# Altium PCB KAVI_PCB_R5.PcbDoc (part 1 of 2) (continued)
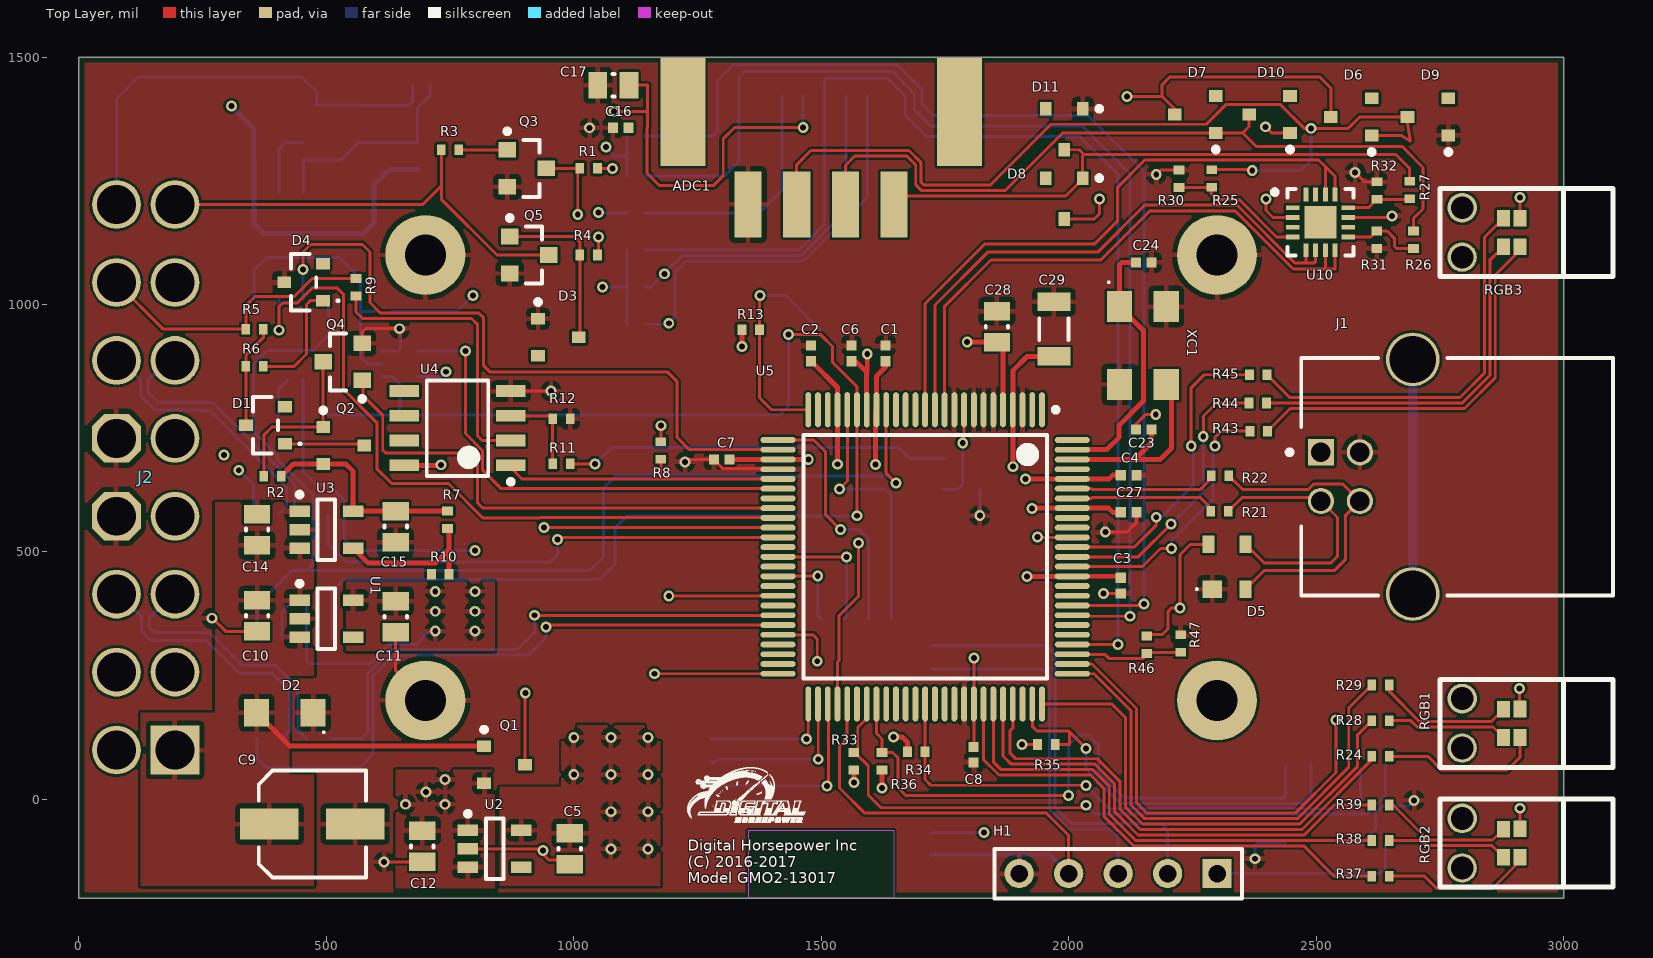
[diagram p0: Top Layer view]
## Part data (continued)
D3: Supplier Part Number 1=BAS16LT1GOSTR-ND, Supplier 1=Digi-Key
D5: library part ESD_PROTECTION_DIODE, Capacitance @ Frequency="1pF @ 1MHz", Current - Peak Pulse (10/1000µs)=-, Manufacturer="NXP Semiconductors", Manufacturer Part Number=PRTR5V0U2X,215, Operating Temperature="-40°C ~ 85°C (TA)", Package / Case="TO-253-4, TO-253AA", Power Line Protection=Yes, Supplier Device Package=SOT-143B, Supplier Part Number 1=568-4140-2-ND, Voltage - Breakdown (Min)=6V, Voltage - Reverse Standoff (Typ)="5.5V (Max)", Applications="General Purpose", Bidirectional Channels=-, Category="Circuit Protection", ComponentLink1Description=http://www.nxp.com/documents/data_sheet/PRTR5V0U2X.pdf, ComponentLink1URL=http://www.nxp.com/documents/data_sheet/PRTR5V0U2X.pdf, Mounting Type="Surface Mount", Packaging="Tape & Reel (TR)", Part Status=Active, Power - Peak Pulse=-, Pricing 1="3000=0.17949, 6000=0.16791, 15000=0.15633, 30000=0.14822, 75000=0.14475, 150000=0.13896 (USD)", RoHS="RoHS Compliant", Stock 1=15000, Supplier 1=Digi-Key, Type="Steering (Rail to Rail)", Unidirectional Channels=2, Voltage - Clamping (Max) @ Ipp=-
D6 D7 D8 D9 D10 D11: Capacitance @ Vr, F="80pF @ 1V, 1MHz", Current - Average Rectified (Io)="500mA (DC)", Current - Reverse Leakage @ Vr="200µA @ 20V", Manufacturer="NXP Semiconductors", Manufacturer Part Number=PMEG2005ET,215, Operating Temperature - Junction="150°C (Max)", Package / Case="TO-236-3, SC-59, SOT-23-3", Supplier Device Package="SOT-23 (TO-236AB)", Supplier Part Number 1=568-4111-2-ND, Voltage - DC Reverse (Vr) (Max)=20V, Voltage - Forward (Vf) (Max) @ If="390mV @ 500mA", Category="Discrete Semiconductor Products", ComponentLink1Description=http://www.nxp.com/documents/data_sheet/PMEGXX05ET_SER.pdf, ComponentLink1URL=http://www.nxp.com/documents/data_sheet/PMEGXX05ET_SER.pdf, Diode Type=Schottky, Mounting Type="Surface Mount", Packaging="Tape & Reel (TR)", Part Status=Active, Pricing 1="3000=0.09522, 6000=0.08993, 15000=0.082, 30000=0.07671, 75000=0.06877, 150000=0.06613 (USD)", Reverse Recovery Time (trr)=-, RoHS="RoHS Compliant", Speed="Fast Recovery =< 500ns, > 200mA (Io)", Stock 1=9000, Supplier 1=Digi-Key
H1: library part "Header 5", "Header, 5-Pin", LatestRevisionDate=17-Jul-2002, LatestRevisionNote="Re-released for DXP Platform.", Publisher="Altium Limited"
I1: Current - Saturation=90mA, Current Rating=190mA, DC Resistance (DCR)="4.86 Ohm Max", Frequency - Self Resonant=11MHz, Frequency - Test=2.52MHz, Inductance=47µH, Manufacturer="Taiyo Yuden", Manufacturer Part Number=CB2012T470K, Operating Temperature="-40°C ~ 105°C", Package / Case="0805 (2012 Metric)", Q @ Freq=-, Supplier Part Number 1=587-2456-2-ND, Tolerance=±10%, Category="Inductors, Coils, Chokes", ComponentLink1Description=http://ds.yuden.co.jp/TYCOMPAS/ut/detail.do?productNo=CB2012T470K&fileName=CB2012T470K_SS&mode=specSheetDownload, ComponentLink1URL=http://ds.yuden.co.jp/TYCOMPAS/ut/detail.do?productNo=CB2012T470K&fileName=CB2012T470K_SS&mode=specSheetDownload, Height - Seated (Max)="0.057\" (1.45mm)", Material - Core=Ferrite, Mounting Type="Surface Mount", Packaging="Tape & Reel (TR)", Part Status=Active, Pricing 1="3000=0.081, 6000=0.0765, 15000=0.072, 30000=0.06975 (USD)", PROD_ID=TRANS-08049, Ratings=-, RoHS="RoHS Compliant", Shielding=Unshielded, Size / Dimension="0.079\" L x 0.049\" W (2.00mm x 1.25mm)", Stock 1=0, Supplier 1=Digi-Key, Type=Wirewound
J1: library part CMP-0397-00002-2, "Single USB 2.0, B Type, Right Angle Jack, Through Hole, RoHS, Tube", Manufacturer 1="FCI Electronics", ComponentLink1Description="Manufacturer URL", ComponentLink1URL=http://portal.fciconnect.com/, ComponentLink2Description=Datasheet, ComponentLink2URL=http://portal.fciconnect.com/Comergent//fci/drawing/61729.pdf, ComponentLink3Description="Package Specification", ComponentLink3URL=http://portal.fciconnect.com/Comergent//fci/drawing/61729.pdf, Connector Type=USB-B, DatasheetVersion="Rev. V", Gender=Receptacle, Manufacturer Part Number=61729-0010BLF, Mounting Technology="Through Hole", Number of Contacts=4, PackageDescription="6-Pin, Through Hole, Body 12.2 x 16 mm", PackageReference=61729-0010BLF, Packing=Tube, RoHS=TRUE, Specifications="USB 2.0"
J2: library part "90D Male OBD Plug"
J3: library part 5X2_MCU_JTAG_PROG, Supplier Part Number 1=609-3695-2-ND, Supplier 1=Digi-Key
Q1: Current - Continuous Drain (Id) @ 25°C="900mA (Ta)", Drain to Source Voltage (Vdss)=60V, Input Capacitance (Ciss) @ Vds="219pF @ 30V", Manufacturer="On Semiconductor", Manufacturer Part Number=ZXMP6A13FTA, Operating Temperature="-55°C ~ 150°C (TJ)", Package / Case="TO-236-3, SC-59, SOT-23-3", Package Type=SOT-23-3, PartNumber=NTR4101PT1G, Power - Max=625mW, Supplier Part Number 1=ZXMP6A13FCT-ND, Category="Discrete Semiconductor Products", Channel Polarity="P Channel", Ciss Typ (pF)=675, ComponentLink1Description="Manufacturer URL", ComponentLink1URL=http://www.onsemi.com/, ComponentLink2Description=Datasheet, ComponentLink2URL=http://www.onsemi.cn/pub_link/Collateral/NTR4101P-D.PDF, ComponentLink3Description="Package Specification", ComponentLink3URL=http://www.onsemi.cn/pub_link/Collateral/318-08.PDF, ComponentLink4Description=http://www.diodes.com/_files/datasheets/ZXMP6A13F.pdf, ComponentLink4URL=http://www.diodes.com/_files/datasheets/ZXMP6A13F.pdf, Configuration=Single, Coss Typ (pF)=100, Crss Typ (pF)=75, DatasheetVersion="Rev. 9", FET Feature=Standard, FET Type="MOSFET P-Channel, Metal Oxide", Gate Charge (Qg) @ Vgs="5.9nC @ 10V", ID Max (A)=3.2, Mounting Technology="Surface Mount", Mounting Type="Surface Mount", PackageDescription="3-Pin Small Outline Transistor, Body 2.92 x 1.3 mm, Pitch 0.95 mm", PackageReference=SOT-23-3-318-08, PackageVersion="Rev. AP, 11/2009", Packaging="Cut Tape (CT)", Packing="Tape and Reel", Part Status=Active, Pricing 1="1=0.54, 10=0.463, 100=0.3461, 500=0.2719, 1000=0.2101 (USD)", Qrr Typ (nC)=1008, Rds On (Max) @ Id, Vgs="400 mOhm @ 900mA, 10V", RoHS=Pb-Free, Stock 1=65472, Supplier 1=Digi-Key, Supplier Device Package=SOT-23-3, V(BR)DSS Min (V)=20, Vgs(th) (Max) @ Id="1V @ 250µA", VGS(th) Max (V)=1.2, VGS Max (V)=8
Q2: Manufacturer="On Semiconductor", Package Type=SOT-23-3, PartNumber=NTR4101PT1G, Supplier Part Number 1=ZXMP6A13FCT-ND, Channel Polarity="P Channel", Ciss Typ (pF)=675, ComponentLink1Description="Manufacturer URL", ComponentLink1URL=http://www.onsemi.com/, ComponentLink2Description=Datasheet, ComponentLink2URL=http://www.onsemi.cn/pub_link/Collateral/NTR4101P-D.PDF, ComponentLink3Description="Package Specification", ComponentLink3URL=http://www.onsemi.cn/pub_link/Collateral/318-08.PDF, Configuration=Single, Coss Typ (pF)=100, Crss Typ (pF)=75, DatasheetVersion="Rev. 9", ID Max (A)=3.2, Mounting Technology="Surface Mount", PackageDescription="3-Pin Small Outline Transistor, Body 2.92 x 1.3 mm, Pitch 0.95 mm", PackageReference=SOT-23-3-318-08, PackageVersion="Rev. AP, 11/2009", Packing="Tape and Reel", Qrr Typ (nC)=1008, RoHS=Pb-Free, Supplier 1=Digi-Key, V(BR)DSS Min (V)=20, VGS(th) Max (V)=1.2, VGS Max (V)=8
Q3 Q5: library part CMP-1048-00538-1, "General Purpose Transistor, NPN Silicon, 3-Pin SOT-23, Pb-Free, Tape and Reel", Manufacturer="On Semiconductor", Supplier Part Number 1=MMBT2222ALT1GOSTR-ND, ComponentLink1Description="Manufacturer URL", ComponentLink1URL=http://www.onsemi.com/, ComponentLink2Description=Datasheet, ComponentLink2URL=http://www.onsemi.cn/pub_link/Collateral/MMBT2222LT1-D.PDF, ComponentLink3Description="Package Specification", ComponentLink3URL=http://www.onsemi.cn/pub_link/Collateral/318-08.PDF, DatasheetVersion="Rev. 10", fT Min (MHz)=300, IC Continuous (A)=0.6, Mounting Technology="Surface Mount", PackageDescription="3-Pin Small Outline Transistor, Body 2.92 x 1.3 mm, Pitch 0.95 mm", PackageReference=SOT-23-3-318-08, PackageVersion="Rev. AP, 11/2009", Packing="Tape and Reel", PartNumber=MMBT2222ALT1G, Polarity=NPN, RoHS=TRUE, Supplier 1=Digi-Key
Q4: library part CMP-1058-00767-1, "Power MOSFET, 200 mA, 50 V, N-Channel, 3-Pin SOT-23, Pb-Free, Tape and Reel", Current - Continuous Drain (Id) @ 25°C="220mA (Ta)", Drain to Source Voltage (Vdss)=50V, Input Capacitance (Ciss) @ Vds="27pF @ 25V", Manufacturer="On Semiconductor", Manufacturer Part Number=BSS138, Operating Temperature="-55°C ~ 150°C (TJ)", Package / Case="TO-236-3, SC-59, SOT-23-3", Package Type=SOT-23-3, Power - Max=360mW, Supplier Part Number 1=BSS138TR-ND, Category="Discrete Semiconductor Products", Channel Polarity="N Channel", Ciss Typ (pF)=40, ComponentLink1Description="Manufacturer URL", ComponentLink1URL=http://www.onsemi.com/, ComponentLink2Description=Datasheet, ComponentLink2URL=http://www.onsemi.com/pub_link/Collateral/BSS138LT1-D.PDF, ComponentLink3Description="Package Specification", ComponentLink3URL=http://www.onsemi.cn/pub_link/Collateral/318-08.PDF, ComponentLink4Description=https://www.fairchildsemi.com/datasheets/BS/BSS138.pdf, ComponentLink4URL=https://www.fairchildsemi.com/datasheets/BS/BSS138.pdf, Configuration=Single, Coss Typ (pF)=12, Crss Typ (pF)=3.5, DatasheetVersion="Rev. 8", FET Feature="Logic Level Gate", FET Type="MOSFET N-Channel, Metal Oxide", Gate Charge (Qg) @ Vgs="2.4nC @ 10V", ID Max (A)=0.2, Mounting Technology="Surface Mount", Mounting Type="Surface Mount", PackageDescription="3-Pin Small Outline Transistor, Body 2.92 x 1.3 mm, Pitch 0.95 mm", PackageReference=SOT-23-3-318-08, PackageVersion="Rev. AP, 11/2009", Packaging="Tape & Reel (TR)", Packing="Tape and Reel", PartNumber=BSS138LT1G, Part Status=Active, PD Max (W)=0.225, Pricing 1="3000=0.03703, 6000=0.0322, 15000=0.02737, 30000=0.02576, 75000=0.02415, 150000=0.02093 (USD)", Rds On (Max) @ Id, Vgs="3.5 Ohm @ 220mA, 10V", RoHS=Pb-Free, Stock 1=732000, Supplier 1=Digi-Key, Supplier Device Package=SOT-23-3, V(BR)DSS Min (V)=50, Vgs(th) (Max) @ Id="1.5V @ 1mA", VGS(th) Max (V)=1.5, VGS Max (V)=20
R1 R3 R4 R9: library part CMP-1591-00004-1, "0402 (1005 Metric) Chip Resistor", Case-EIA=0402, Case-Metric=1005, Supplier Part Number 1=311-10.0KLRTR-ND, PackageReference=RESC0402(1005), Supplier 1=Digi-Key
R2: library part CMP-1591-00004-1, "0402 (1005 Metric) Chip Resistor", Case-EIA=0402, Case-Metric=1005, Manufacturer=Yageo, Manufacturer Part Number=RC0402FR-071K5L, Operating Temperature="-55°C ~ 155°C", Package / Case="0402 (1005 Metric)", Power (Watts)="0.063W, 1/16W", Resistance (Ohms)=1.5k, Supplier Part Number 1=311-1.50KLRTR-ND, Temperature Coefficient=±100ppm/°C, Category=Resistors, ComponentLink1Description=http://www.yageo.com/NewPortal/yageodocoutput?fileName=/pdf/R-Chip/PYu-RC_Group_51_RoHS_L_4.pdf, ComponentLink1URL=http://www.yageo.com/NewPortal/yageodocoutput?fileName=/pdf/R-Chip/PYu-RC_Group_51_RoHS_L_4.pdf, Composition="Thick Film", Failure Rate=-, Features="Moisture Resistant", Height - Seated (Max)="0.016\" (0.40mm)", Number of Terminations=2, PackageReference=RESC0402(1005), Packaging="Tape & Reel (TR)", Part Status=Active, Pricing 1="10000=0.00137, 30000=0.0012, 50000=0.0011, 100000=0.00108 (USD)", RoHS="RoHS Compliant", Size / Dimension="0.039\" L x 0.020\" W (1.00mm x 0.50mm)", Stock 1=1220000, Supplier 1=Digi-Key, Supplier Device Package=0402
R5 R19: library part CMP-1591-00004-1, "0402 (1005 Metric) Chip Resistor", Case-EIA=0402, Case-Metric=1005, Manufacturer=Yageo, Manufacturer Part Number=RC0402FR-0710KL, Operating Temperature="-55°C ~ 155°C", Package / Case="0402 (1005 Metric)", Power (Watts)="0.063W, 1/16W", Resistance (Ohms)=10k, Supplier Part Number 1=YAG3086TR-ND, Temperature Coefficient=±100ppm/°C, Category=Resistors, ComponentLink1Description=http://www.yageo.com/NewPortal/yageodocoutput?fileName=/pdf/R-Chip/PYu-RC_Group_51_RoHS_L_4.pdf, ComponentLink1URL=http://www.yageo.com/NewPortal/yageodocoutput?fileName=/pdf/R-Chip/PYu-RC_Group_51_RoHS_L_4.pdf, Composition="Thick Film", Failure Rate=-, Features="Moisture Resistant", Height - Seated (Max)="0.016\" (0.40mm)", Number of Terminations=2, PackageReference=RRESC0402(1005), Packaging="Tape & Reel (TR)", Part Status=Active, RoHS="RoHS Compliant", Size / Dimension="0.039\" L x 0.020\" W (1.00mm x 0.50mm)", Supplier 1=Digi-Key, Supplier Device Package=0402
R6 R8 R13 R14 R30 R31 R32 R33 R34 R35 R36 R47: library part CMP-1591-00004-1, "0402 (1005 Metric) Chip Resistor", Case-EIA=0402, Case-Metric=1005, Manufacturer=Yageo, Manufacturer Part Number=RC0402FR-0710KL, Operating Temperature="-55°C ~ 155°C", Package / Case="0402 (1005 Metric)", Power (Watts)="0.063W, 1/16W", Resistance (Ohms)=10k, Supplier Part Number 1=311-10.0KLRTR-ND, Temperature Coefficient=±100ppm/°C, Category=Resistors, ComponentLink1Description=http://www.yageo.com/NewPortal/yageodocoutput?fileName=/pdf/R-Chip/PYu-RC_Group_51_RoHS_L_4.pdf, ComponentLink1URL=http://www.yageo.com/NewPortal/yageodocoutput?fileName=/pdf/R-Chip/PYu-RC_Group_51_RoHS_L_4.pdf, Composition="Thick Film", Failure Rate=-, Features="Moisture Resistant", Height - Seated (Max)="0.016\" (0.40mm)", Number of Terminations=2, PackageReference=RESC0402(1005), Packaging="Tape & Reel (TR)", Part Status=Active, Pricing 1="10000=0.00137, 30000=0.0012, 50000=0.0011, 100000=0.00108 (USD)", RoHS="RoHS Compliant", Size / Dimension="0.039\" L x 0.020\" W (1.00mm x 0.50mm)", Stock 1=11600000, Supplier 1=Digi-Key, Supplier Device Package=0402
R7 R25 R26 R27 R46: library part CMP-1591-00004-1, "0402 (1005 Metric) Chip Resistor", Case-EIA=0402, Case-Metric=1005, Manufacturer=Yageo, Manufacturer Part Number=RC0402FR-075K49L, Operating Temperature="-55°C ~ 155°C", Package / Case="0402 (1005 Metric)", Power (Watts)="0.063W, 1/16W", Resistance (Ohms)=5.49k, Supplier Part Number 1=311-5.49KLRTR-ND, Temperature Coefficient=±100ppm/°C, Category=Resistors, ComponentLink1Description=http://www.yageo.com/NewPortal/yageodocoutput?fileName=/pdf/R-Chip/PYu-RC_Group_51_RoHS_L_4.pdf, ComponentLink1URL=http://www.yageo.com/NewPortal/yageodocoutput?fileName=/pdf/R-Chip/PYu-RC_Group_51_RoHS_L_4.pdf, Composition="Thick Film", Failure Rate=-, Features="Moisture Resistant", Height - Seated (Max)="0.016\" (0.40mm)", Number of Terminations=2, PackageReference=RESC0402(1005), Packaging="Tape & Reel (TR)", Part Status=Active, Pricing 1="10000=0.00137, 30000=0.0012, 50000=0.0011, 100000=0.00108 (USD)", RoHS="RoHS Compliant", Size / Dimension="0.039\" L x 0.020\" W (1.00mm x 0.50mm)", Stock 1=240000, Supplier 1=Digi-Key, Supplier Device Package=0402
R10 R40: library part CMP-1591-00004-1, "0402 (1005 Metric) Chip Resistor", Case-EIA=0402, Case-Metric=1005, Manufacturer=Yageo, Manufacturer Part Number=RC0402FR-071KL, Operating Temperature="-55°C ~ 155°C", Package / Case="0402 (1005 Metric)", Power (Watts)="0.063W, 1/16W", Resistance (Ohms)=1k, Supplier Part Number 1=311-1.00KLRTR-ND, Temperature Coefficient=±100ppm/°C, Category=Resistors, ComponentLink1Description=http://www.yageo.com/NewPortal/yageodocoutput?fileName=/pdf/R-Chip/PYu-RC_Group_51_RoHS_L_4.pdf, ComponentLink1URL=http://www.yageo.com/NewPortal/yageodocoutput?fileName=/pdf/R-Chip/PYu-RC_Group_51_RoHS_L_4.pdf, Composition="Thick Film", Failure Rate=-, Features="Moisture Resistant", Height - Seated (Max)="0.016\" (0.40mm)", Number of Terminations=2, PackageReference=RESC0402(1005), Packaging="Tape & Reel (TR)", Part Status=Active, Pricing 1="10000=0.00137, 30000=0.0012, 50000=0.0011, 100000=0.00108 (USD)", RoHS="RoHS Compliant", Size / Dimension="0.039\" L x 0.020\" W (1.00mm x 0.50mm)", Stock 1=6770000, Supplier 1=Digi-Key, Supplier Device Package=0402
R11: library part CMP-1591-00004-1, "0402 (1005 Metric) Chip Resistor", Case-EIA=0402, Case-Metric=1005, Manufacturer=Yageo, Manufacturer Part Number=RC0402FR-071K2L, Operating Temperature="-55°C ~ 155°C", Package / Case="0402 (1005 Metric)", Power (Watts)="0.063W, 1/16W", Resistance (Ohms)=1.2k, Supplier Part Number 1=311-1.20KLRTR-ND, Temperature Coefficient=±100ppm/°C, Category=Resistors, ComponentLink1Description=http://www.yageo.com/NewPortal/yageodocoutput?fileName=/pdf/R-Chip/PYu-RC_Group_51_RoHS_L_4.pdf, ComponentLink1URL=http://www.yageo.com/NewPortal/yageodocoutput?fileName=/pdf/R-Chip/PYu-RC_Group_51_RoHS_L_4.pdf, Composition="Thick Film", Failure Rate=-, Features="Moisture Resistant", Height - Seated (Max)="0.016\" (0.40mm)", Number of Terminations=2, PackageReference=RESC0402(1005), Packaging="Tape & Reel (TR)", Part Status=Active, Pricing 1="10000=0.00137, 30000=0.0012, 50000=0.0011, 100000=0.00108 (USD)", RoHS="RoHS Compliant", Size / Dimension="0.039\" L x 0.020\" W (1.00mm x 0.50mm)", Stock 1=540000, Supplier 1=Digi-Key, Supplier Device Package=0402
R12: library part CMP-1591-00004-1, "0402 (1005 Metric) Chip Resistor", Case-EIA=0402, Case-Metric=1005, Manufacturer=Yageo, Manufacturer Part Number=RC0402FR-074K7L, Operating Temperature="-55°C ~ 155°C", Package / Case="0402 (1005 Metric)", Power (Watts)="0.063W, 1/16W", Resistance (Ohms)=4.7k, Supplier Part Number 1=311-4.7KLRTR-ND, Temperature Coefficient=±100ppm/°C, Category=Resistors, ComponentLink1Description=http://www.yageo.com/NewPortal/yageodocoutput?fileName=/pdf/R-Chip/PYu-RC_Group_51_RoHS_L_4.pdf, ComponentLink1URL=http://www.yageo.com/NewPortal/yageodocoutput?fileName=/pdf/R-Chip/PYu-RC_Group_51_RoHS_L_4.pdf, Composition="Thick Film", Failure Rate=-, Features="Moisture Resistant", Height - Seated (Max)="0.016\" (0.40mm)", Number of Terminations=2, PackageReference=RESC0402(1005), Packaging="Tape & Reel (TR)", Part Status=Active, Pricing 1="10000=0.00137, 30000=0.0012, 50000=0.0011, 100000=0.00108 (USD)", RoHS="RoHS Compliant", Size / Dimension="0.039\" L x 0.020\" W (1.00mm x 0.50mm)", Stock 1=3880000, Supplier 1=Digi-Key, Supplier Device Package=0402
R15 R16 R17 R18: library part CMP-1591-00004-1, "0402 (1005 Metric) Chip Resistor", Case-EIA=0402, Case-Metric=1005, Manufacturer=Yageo, Manufacturer Part Number=RC0402FR-0710KL, Operating Temperature="-55°C ~ 155°C", Package / Case="0402 (1005 Metric)", Power (Watts)="0.063W, 1/16W", Resistance (Ohms)=10k, Supplier Part Number 1=311-68.0KLRTR-ND, Temperature Coefficient=±100ppm/°C, Category=Resistors, ComponentLink1Description=http://www.yageo.com/NewPortal/yageodocoutput?fileName=/pdf/R-Chip/PYu-RC_Group_51_RoHS_L_4.pdf, ComponentLink1URL=http://www.yageo.com/NewPortal/yageodocoutput?fileName=/pdf/R-Chip/PYu-RC_Group_51_RoHS_L_4.pdf, Composition="Thick Film", Failure Rate=-, Features="Moisture Resistant", Height - Seated (Max)="0.016\" (0.40mm)", Number of Terminations=2, PackageReference=RESC0402(1005), Packaging="Tape & Reel (TR)", Part Status=Active, RoHS="RoHS Compliant", Size / Dimension="0.039\" L x 0.020\" W (1.00mm x 0.50mm)", Supplier 1=Digi-Key, Supplier Device Package=0402
R20: library part CMP-1591-00004-1, "0402 (1005 Metric) Chip Resistor", Case-EIA=0402, Case-Metric=1005, Manufacturer=Yageo, Manufacturer Part Number=RC0402FR-072K2L, Operating Temperature="-55°C ~ 155°C", Package / Case="0402 (1005 Metric)", Power (Watts)="0.063W, 1/16W", Resistance (Ohms)=2.2k, Supplier Part Number 1=311-2.20KLRTR-ND, Temperature Coefficient=±100ppm/°C, Category=Resistors, ComponentLink1Description=http://www.yageo.com/NewPortal/yageodocoutput?fileName=/pdf/R-Chip/PYu-RC_Group_51_RoHS_L_4.pdf, ComponentLink1URL=http://www.yageo.com/NewPortal/yageodocoutput?fileName=/pdf/R-Chip/PYu-RC_Group_51_RoHS_L_4.pdf, Composition="Thick Film", Failure Rate=-, Features="Moisture Resistant", Height - Seated (Max)="0.016\" (0.40mm)", Number of Terminations=2, PackageReference=RESC0402(1005), Packaging="Tape & Reel (TR)", Part Status=Active, Pricing 1="10000=0.00137, 30000=0.0012, 50000=0.0011, 100000=0.00108 (USD)", RoHS="RoHS Compliant", Size / Dimension="0.039\" L x 0.020\" W (1.00mm x 0.50mm)", Stock 1=2450000, Supplier 1=Digi-Key, Supplier Device Package=0402
R21 R22: library part CMP-1591-00004-1, "0402 (1005 Metric) Chip Resistor", Case-EIA=0402, Case-Metric=1005, Manufacturer=Yageo, Manufacturer Part Number=RC0402FR-0739RL, Operating Temperature="-55°C ~ 155°C", Package / Case="0402 (1005 Metric)", Power (Watts)="0.063W, 1/16W", Resistance (Ohms)=39, Supplier Part Number 1=311-39.0LRTR-ND, Temperature Coefficient=±100ppm/°C, Category=Resistors, ComponentLink1Description=http://www.yageo.com/NewPortal/yageodocoutput?fileName=/pdf/R-Chip/PYu-RC_Group_51_RoHS_L_4.pdf, ComponentLink1URL=http://www.yageo.com/NewPortal/yageodocoutput?fileName=/pdf/R-Chip/PYu-RC_Group_51_RoHS_L_4.pdf, Composition="Thick Film", Failure Rate=-, Features="Moisture Resistant", Height - Seated (Max)="0.016\" (0.40mm)", Number of Terminations=2, PackageReference=RESC0402(1005), Packaging="Tape & Reel (TR)", Part Status=Active, Pricing 1="10000=0.00137, 30000=0.0012, 50000=0.0011, 100000=0.00108 (USD)", RoHS="RoHS Compliant", Size / Dimension="0.039\" L x 0.020\" W (1.00mm x 0.50mm)", Stock 1=990000, Supplier 1=Digi-Key, Supplier Device Package=0402
R23: library part CMP-1591-00004-1, "0402 (1005 Metric) Chip Resistor", Case-EIA=0402, Case-Metric=1005, Manufacturer=Yageo, Manufacturer Part Number=RC0402FR-071ML, Operating Temperature="-55°C ~ 155°C", Package / Case="0402 (1005 Metric)", Power (Watts)="0.063W, 1/16W", Resistance (Ohms)=1M, Supplier Part Number 1=311-1.00MLRTR-ND, Temperature Coefficient=±100ppm/°C, Category=Resistors, ComponentLink1Description=http://www.yageo.com/NewPortal/yageodocoutput?fileName=/pdf/R-Chip/PYu-RC_Group_51_RoHS_L_4.pdf, ComponentLink1URL=http://www.yageo.com/NewPortal/yageodocoutput?fileName=/pdf/R-Chip/PYu-RC_Group_51_RoHS_L_4.pdf, Composition="Thick Film", Failure Rate=-, Features="Moisture Resistant", Height - Seated (Max)="0.016\" (0.40mm)", Number of Terminations=2, PackageReference=RESC0402(1005), Packaging="Tape & Reel (TR)", Part Status=Active, Pricing 1="10000=0.00137, 30000=0.0012, 50000=0.0011, 100000=0.00108 (USD)", RoHS="RoHS Compliant", Size / Dimension="0.039\" L x 0.020\" W (1.00mm x 0.50mm)", Stock 1=3370000, Supplier 1=Digi-Key, Supplier Device Package=0402
R24 R28 R29 R37 R38 R39 R43 R44 R45: library part CMP-1591-00004-1, "0402 (1005 Metric) Chip Resistor", Case-EIA=0402, Case-Metric=1005, Manufacturer=Yageo, Manufacturer Part Number=RC0402JR-07330RL, Operating Temperature="-55°C ~ 155°C", Package / Case="0402 (1005 Metric)", Power (Watts)="0.063W, 1/16W", Resistance (Ohms)=330, Supplier Part Number 1=311-330JRTR-ND, Temperature Coefficient=±100ppm/°C, Category=Resistors, ComponentLink1Description=http://www.yageo.com/NewPortal/yageodocoutput?fileName=/pdf/R-Chip/PYu-RC_Group_51_RoHS_L_4.pdf, ComponentLink1URL=http://www.yageo.com/NewPortal/yageodocoutput?fileName=/pdf/R-Chip/PYu-RC_Group_51_RoHS_L_4.pdf, Composition="Thick Film", Failure Rate=-, Features="Moisture Resistant", Height - Seated (Max)="0.016\" (0.40mm)", Number of Terminations=2, PackageReference=RESC0402(1005), Packaging="Tape & Reel (TR)", Part Status=Active, Pricing 1="10000=0.00121, 30000=0.00106, 50000=0.00097, 100000=0.00095 (USD)", RoHS="RoHS Compliant", Size / Dimension="0.039\" L x 0.020\" W (1.00mm x 0.50mm)", Stock 1=850000, Supplier 1=Digi-Key, Supplier Device Package=0402
R41: library part CMP-1591-00004-1, "0402 (1005 Metric) Chip Resistor", Case-EIA=0402, Case-Metric=1005, Manufacturer=Yageo, Manufacturer Part Number=RC0402FR-072K7L, Operating Temperature="-55°C ~ 155°C", Package / Case="0402 (1005 Metric)", Power (Watts)="0.063W, 1/16W", Resistance (Ohms)=2.7k, Supplier Part Number 1=311-2.70KLRTR-ND, Temperature Coefficient=±100ppm/°C, Category=Resistors, ComponentLink1Description=http://www.yageo.com/NewPortal/yageodocoutput?fileName=/pdf/R-Chip/PYu-RC_Group_51_RoHS_L_4.pdf, ComponentLink1URL=http://www.yageo.com/NewPortal/yageodocoutput?fileName=/pdf/R-Chip/PYu-RC_Group_51_RoHS_L_4.pdf, Composition="Thick Film", Failure Rate=-, Features="Moisture Resistant", Height - Seated (Max)="0.016\" (0.40mm)", Number of Terminations=2, PackageReference=RESC0402(1005), Packaging="Tape & Reel (TR)", Part Status=Active, Pricing 1="10000=0.00137, 30000=0.0012, 50000=0.0011, 100000=0.00108 (USD)", RoHS="RoHS Compliant", Size / Dimension="0.039\" L x 0.020\" W (1.00mm x 0.50mm)", Stock 1=470000, Supplier 1=Digi-Key, Supplier Device Package=0402
R42: library part CMP-1591-00004-1, "0402 (1005 Metric) Chip Resistor", Case-EIA=0402, Case-Metric=1005, Manufacturer=Yageo, Manufacturer Part Number=RC0402FR-076K49L, Operating Temperature="-55°C ~ 155°C", Package / Case="0402 (1005 Metric)", Power (Watts)="0.063W, 1/16W", Resistance (Ohms)=6.49k, Supplier Part Number 1=311-6.49KLRTR-ND, Temperature Coefficient=±100ppm/°C, Category=Resistors, ComponentLink1Description=http://www.yageo.com/NewPortal/yageodocoutput?fileName=/pdf/R-Chip/PYu-RC_Group_51_RoHS_L_4.pdf, ComponentLink1URL=http://www.yageo.com/NewPortal/yageodocoutput?fileName=/pdf/R-Chip/PYu-RC_Group_51_RoHS_L_4.pdf, Composition="Thick Film", Failure Rate=-, Features="Moisture Resistant", Height - Seated (Max)="0.016\" (0.40mm)", Number of Terminations=2, PackageReference=RESC0402(1005), Packaging="Tape & Reel (TR)", Part Status=Active, Pricing 1="10000=0.00137, 30000=0.0012, 50000=0.0011, 100000=0.00108 (USD)", RoHS="RoHS Compliant", Size / Dimension="0.039\" L x 0.020\" W (1.00mm x 0.50mm)", Stock 1=340000, Supplier 1=Digi-Key, Supplier Device Package=0402
RGB1 RGB2 RGB3: library part RGB_LED, Supplier Part Number 1=160-2162-2-ND, Supplier 1=Digi-Key
SW1: library part "Signal Switch 1:1", Supplier Part Number 1=296-13254-2-ND, Supplier 1=Digi-Key
U1: library part AP2204, Current - Limit (Min)=-, Current - Output=150mA, Manufacturer="Diodes Incorporated", Manufacturer Part Number=AP2204K-5.0TRG1, Operating Temperature="-40°C ~ 85°C", Package / Case="SC-74A, SOT-753", Supplier Device Package=SOT-23-5, Supplier Part Number 1=AP2204K-5.0TRG1DITR-ND, Voltage - Dropout (Typical)="0.36V @ 150mA", Voltage - Input="Up to 24V", Voltage - Output=5V, Category="Integrated Circuits (ICs)", ComponentLink1Description=http://www.diodes.com/_files/datasheets/AP2204.pdf, ComponentLink1URL=http://www.diodes.com/_files/datasheets/AP2204.pdf, Mounting Type="Surface Mount", Number of Regulators=1, Packaging="Tape & Reel (TR)", Part Status=Active, Pricing 1="3000=0.12359, 6000=0.1161, 15000=0.10861, 30000=0.09962, 75000=0.09587, 150000=0.09213 (USD)", Regulator Topology="Positive Fixed", RoHS="RoHS Compliant", Stock 1=9000, Supplier 1=Digi-Key
U2: library part AP2204, Current - Limit (Min)=-, Current - Output=150mA, Manufacturer="Diodes Incorporated", Manufacturer Part Number=AP2204K-3.3TRG1, Operating Temperature="-40°C ~ 85°C", Package / Case="SC-74A, SOT-753", Supplier Device Package=SOT-23-5, Supplier Part Number 1=AP2204K-3.3TRG1DITR-ND, Voltage - Dropout (Typical)="0.36V @ 150mA", Voltage - Input="Up to 24V", Voltage - Output=3.3V, Category="Integrated Circuits (ICs)", ComponentLink1Description=http://www.diodes.com/_files/datasheets/AP2204.pdf, ComponentLink1URL=http://www.diodes.com/_files/datasheets/AP2204.pdf, Mounting Type="Surface Mount", Number of Regulators=1, Packaging="Tape & Reel (TR)", Part Status=Active, Pricing 1="3000=0.12359, 6000=0.1161, 15000=0.10861, 30000=0.09962, 75000=0.09587, 150000=0.09213 (USD)", Regulator Topology="Positive Fixed", RoHS="RoHS Compliant", Stock 1=9000, Supplier 1=Digi-Key
U3: library part AP2204_ADJ, Current - Limit (Min)=-, Current - Output=150mA, Manufacturer="Diodes Incorporated", Manufacturer Part Number=AP2204K-ADJTRG1, Operating Temperature="-40°C ~ 85°C", Package / Case="SC-74A, SOT-753", Supplier Device Package=SOT-23-5, Supplier Part Number 1=AP2204K-ADJTRG1DICT-ND, Voltage - Dropout (Typical)="0.36V @ 150mA", Voltage - Input="2.3 V ~ 24 V", Voltage - Output="1.24 V ~ 22 V", Category="Integrated Circuits (ICs)", ComponentLink1Description=http://www.diodes.com/_files/datasheets/AP2204.pdf, ComponentLink1URL=http://www.diodes.com/_files/datasheets/AP2204.pdf, Mounting Type="Surface Mount", Number of Regulators=1, Packaging="Cut Tape (CT)", Part Status=Active, Pricing 1="1=0.45, 10=0.363, 100=0.2469, 500=0.18516, 1000=0.13887 (USD)", Regulator Topology="Positive Adjustable", RoHS="RoHS Compliant", Stock 1=6787, Supplier 1=Digi-Key
U4: library part CMP-1305-00048-1, "Low Offset Voltage Dual Comparators, 2 to 36 V, 0 to 70 degC, 8-Pin SOIC, Pb-Free, Tape and Reel", Manufacturer="On Semiconductor", Supplier Part Number 1=LM393DR2GOSTR-ND, ComponentLink1Description="Manufacturer URL", ComponentLink1URL=http://www.onsemi.com/, ComponentLink2Description=Datasheet, ComponentLink2URL=http://www.onsemi.com/pub_link/Collateral/LM393-D.PDF, ComponentLink3Description="Package Specification", ComponentLink3URL=http://www.onsemi.com/pub_link/Collateral/751-07.PDF, DatasheetVersion="Rev. 25", ICC Typ (mA)=0.4, IO Typ (mA)=16, Mounting Technology="Surface Mount", PackageDescription="8-Pin Small Outline Integrated Circuit, Body 4.9 x 3.9 mm, Pitch 1.27 mm", PackageReference=SOIC-8-751-07, PackageVersion="Rev. AK, 02/2011", Packing="Tape and Reel", PartNumber=LM393DR2G, RoHS=TRUE, Supplier 1=Digi-Key, VCC Max (V)=36, VCC Min (V)=2
U5: library part CMP-0076-00163-1, "AT91 ARM Cortex-M4 32-bit Microcontroller, 512 KB Flash, 128 KB SRAM, 79 User I/Os, -40 to 85 degC, 100-Pin LQFP, RoHS, Tray", Frequency="120 MHz", Manufacturer=Atmel, Operating Temperature="-40°C ~ 85°C (TA)", Operating Temperature Range="-40 to 85 degC", Package / Case=100-LQFP, Supplier Device Package="100-LQFP (14x14)", Supplier Part Number 1=ATSAM4E8CA-AU-ND, Voltage - Supply (Vcc/Vdd)="1.62 V ~ 3.6 V", CAN=1, Category="Integrated Circuits (ICs)", ComponentLink1Description="Manufacturer URL", ComponentLink1URL=http://www.atmel.com/, ComponentLink2Description=Datasheet, ComponentLink2URL=http://www.atmel.com/Images/Atmel_11157_32-bit-Cortex-M4-Microcontroller_SAM4E_Datasheet.pdf, ComponentLink3Description="Package Specification", ComponentLink3URL=http://www.atmel.com/Images/Atmel_11157_32-bit-Cortex-M4-Microcontroller_SAM4E_Datasheet.pdf, ComponentLink4Description=http://media.digikey.com/pdf/Data%20Sheets/Atmel%20PDFs/ATSAM4E16E(C),8E(C).pdf, ComponentLink4URL=http://media.digikey.com/pdf/Data%20Sheets/Atmel%20PDFs/ATSAM4E16E(C),8E(C).pdf, Connectivity="CAN, Ethernet, IrDA, MMC/SD, SPI, UART/USART, USB", Core Processor="ARM® Cortex®-M4", Core Size=32-Bit, Data Converters="A/D 16x12b, D/A 2x12b", DatasheetVersion=Jul-13, EEPROM Size=-, EMAC=1, Flash="512 KB", I2C=2, Manufacturer Part Number=ATSAM4E8CA-AU, Mounting Technology="Surface Mount", Number of I/O=79, Oscillator Type=Internal, PackageDescription="100-Pin Low Profile Quad Flat Pack, Body 14 x 14 mm, Pitch 0.5 mm", PackageReference=LQFP-100, PackageVersion="Rev. A", Packaging=Tray, Packing=Tray, PartNumber=ATSAM4E8CA-AU, Part Status=Active, Peripherals="Brown-out Detect/Reset, DMA, POR, PWM, WDT", Pricing 1="1=6.3, 25=5.7268, 100=5.1912 (USD)", Program Memory Size="512KB (512K x 8)", Program Memory Type=FLASH, RAM Size="128K x 8", RoHS=TRUE, Speed=120MHz, SPI=3, SRAM="128 KB", Stock 1=441, Supplier 1=Digi-Key, USART=4, User I/Os=79
U6: library part CMP-0074-00570-3, "Precision Micropower Shunt Voltage Reference, 3-pin SOT-23", Current - Cathode=65µA, Current - Output=15mA, Current - Supply=-, Manufacturer="Texas Instruments", Manufacturer Part Number=LM4040CIM3-2.5/NOPB, Operating Temperature="-40°C ~ 85°C (TA)", Package / Case="TO-236-3, SC-59, SOT-23-3", PackageTopMarking=R2C*XTT, PowerWise=N, Supplier Device Package=SOT-23-3, Supplier Part Number 1=LM4040CIM3-2.5/NOPBTR-ND, Temperature Coefficient=100ppm/°C, Tolerance=±0.5%, Voltage - Output (Min/Fixed)=2.5V, Category="Integrated Circuits (ICs)", ComponentLink1Description="Datasheet URL", ComponentLink1URL=http://www.ti.com/general/docs/lit/getliterature.tsp?genericPartNumber=LM4040-N&fileType=pdf, ComponentLink2Description=http://www.ti.com/lit/ds/symlink/lm4040-n.pdf, ComponentLink2URL=http://www.ti.com/lit/ds/symlink/lm4040-n.pdf, CompType="Voltage Reference IC", DatasheetVersion=Apr-2005, Mounting Type="Surface Mount", Noise - 0.1Hz to 10Hz=-, Noise - 10Hz to 10kHz=35µVrms, Output Type=Fixed, PackageDescription="Molded SOT-23, .115 x .051 x .037in Body, 3 Lead, .075 in Pitch", PackageReference=DBZ0003A, PackageVersion="revB, Mar-2003", Packaging="Tape & Reel (TR)", Part Status=Active, PinCount=3, Pricing 1="1000=0.3792, 2000=0.34365, 5000=0.31995, 10000=0.3081, 25000=0.29625 (USD)", Reference Type=Shunt, RevisionNote="Component URLs added", RoHS=N, Stock 1=15000, Supplier 1=Digi-Key, Voltage - Input=-, Voltage - Output (Max)=-
U7 U8: library part CMP-1092-00007-1, "High Speed CAN-Transceiver, 1 Mbit/s Transmission Rate, PG-DSO-8-16, Reel, Green", Manufacturer=Infineon, Operating Temperature=-, Package / Case="8-SOIC (0.154\", 3.90mm Width)", Quiescent Current (max.)="< 15 uA @ 5V standby", Supplier Device Package=PG-DSO-8, Supplier Part Number 1=TLE7250GVIOTR-ND, Voltage - Supply="4.75 V ~ 5.25 V", Bus Wake-up capability=FALSE, Category="Integrated Circuits (ICs)", ComponentLink1Description="Manufacturer URL", ComponentLink1URL=http://www.infineon.com/, ComponentLink2Description=Datasheet, ComponentLink2URL=http://www.infineon.com/dgdl/TLE7250GVIO_DS_Rev10.pdf?folderId=db3a30431ed1d7b2011edadb13813703&fileId=db3a304336415dec01364ec231567381&location=en.Products.Automotive_ICs.Automotive_Transceivers.CAN_Transceivers.DATASHEET.TLE7250GVIO_DS_Rev10.pdf, ComponentLink3Description="Package Specification", ComponentLink3URL=http://www.infineon.com/dgdl/TLE7259-2GE_DS_rev12.pdf?folderId=db3a3043163797a6011666d32a0c0de1&fileId=db3a3043163797a6011666d4dbb80de2&location=en.Products.Automotive_ICs.Automotive_Transceivers.LIN_Transceivers.DATASHEET.TLE7259-2GE_DS_rev12.pdf, ComponentLink4Description=http://www.infineon.com/dgdl/Infineon-TLE7250GVIO-DS-v01_01-EN.pdf?fileId=5546d46250cc1fdf01516239cdc97170&ack=t, ComponentLink4URL=http://www.infineon.com/dgdl/Infineon-TLE7250GVIO-DS-v01_01-EN.pdf?fileId=5546d46250cc1fdf01516239cdc97170&ack=t, Data Rate=1Mbps, DatasheetVersion="Rev. 1.0", Duplex=Half, Green=TRUE, Group="High Speed", Halogen-free=TRUE, Manufacturer Part Number=TLE7250GVIO, Mounting Technology="Surface Mount", Mounting Type="Surface Mount", Number of Drivers/Receivers=1/1, PackageDescription="8-Pin Plastic (Green) Dual Small Outline Package, 4.9 x 3.9 mm Body, 1.27 mm Pitch", PackageReference=PG-DSO-8-16, PackageVersion=Mar-07, Packaging="Tape & Reel (TR)", Packing=Reel, PartNumber=TLE7250GVIO, Part Status=Active, Pricing 1="2500=0.6854, 5000=0.66001, 12500=0.63462, 25000=0.62447, 62500=0.60924 (USD)", Protocol=CAN, Receiver Hysteresis=100mV, RoHS="RoHS Compliant", Standards=ISO11898-2, Stock 1=2500, Supplier 1=Digi-Key, Transmission rate max="1 Mbit/s", Type=Transceiver, Wake-up inputs=no
U9: library part CMP-1313-00064-1, "Single Wire CAN Transceiver, 5 to 27 V, 8-Pin SOIC, Pb-Free, Tape and Reel", Manufacturer="On Semiconductor", Operating Temperature="-40°C ~ 150°C", Package / Case="8-SOIC (0.154\", 3.90mm Width)", Supplier Device Package=8-SOIC, Supplier Part Number 1=NCV7356D1R2GOSTR-ND, Voltage - Supply="5 V ~ 27 V", Category="Integrated Circuits (ICs)", ComponentLink1Description="Manufacturer URL", ComponentLink1URL=http://www.onsemi.com/, ComponentLink2Description=Datasheet, ComponentLink2URL=http://www.onsemi.com/pub_link/Collateral/NCV7356-D.PDF, ComponentLink3Description="Package Specification", ComponentLink3URL=http://www.onsemi.com/pub_link/Collateral/751-07.PDF, Data Rate="100 kbps", DatasheetVersion="Rev. 9", Data Transmission Standard=CAN, Duplex=Half, Manufacturer Part Number=NCV7356D1R2G, Mounting Technology="Surface Mount", Mounting Type="Surface Mount", Number of Drivers=1, Number of Drivers/Receivers=1/1, Number of Receivers=1, PackageDescription="8-Pin Small Outline Integrated Circuit, Body 4.9 x 3.9 mm, Pitch 1.27 mm", PackageReference=SOIC-8-751-07, PackageVersion="Rev. AK, 02/2011", Packaging="Tape & Reel (TR)", Packing="Tape and Reel", PartNumber=NCV7356D1R2G, Part Status=Active, Pricing 1="2500=0.644, 5000=0.6118, 12500=0.5888, 25000=0.5704, 62500=0.552 (USD)", Protocol=CAN, Receiver Hysteresis=-, RoHS=TRUE, Stock 1=2500, Supplier 1=Digi-Key, Type=Transceiver, VCC Max (V)=27, VCC Min (V)=5
U10: library part AMP-OPA-LM124-14, "Low Power Quad Operational Amplifier, 14-pin MDIP", Current - Input Bias=20nA, Current - Output / Channel=20mA, Current - Supply=1.5mA, Manufacturer="Texas Instruments", Manufacturer Part Number=LM2902Q4T, Operating Temperature="-40°C ~ 125°C", Package / Case="16-VFQFN Exposed Pad", Package Reference=N0014A, PackageTopMarking=NSUZXYYTTE#*LM2902N, PowerWise=N, Supplier Device Package="16-QFN (3x3)", Supplier Part Number 1=497-12417-1-ND, Voltage - Input Offset=2mV, Voltage - Supply, Single/Dual (±)="3 V ~ 30 V, ±1.5 V ~ 15 V", -3db Bandwidth=-, Amplifier Type="General Purpose", Category="Integrated Circuits (ICs)", Code_JEDEC=MS-001-AA, ComponentLink1Description="Datasheet URL", ComponentLink1URL=http://www.ti.com/general/docs/lit/getliterature.tsp?genericPartNumber=LM2902&fileType=pdf, ComponentLink2Description=http://www.st.com/content/ccc/resource/technical/document/datasheet/c7/ba/36/ca/0c/06/4e/4c/CD00000533.pdf/files/CD00000533.pdf/jcr:content/translations/en.CD00000533.pdf, ComponentLink2URL=http://www.st.com/content/ccc/resource/technical/document/datasheet/c7/ba/36/ca/0c/06/4e/4c/CD00000533.pdf/files/CD00000533.pdf/jcr:content/translations/en.CD00000533.pdf, CompType=Amplifiers, Gain Bandwidth Product=1.3MHz, Mounting Type="Surface Mount", Number of Circuits=4, Output Type=-, PackageDescription="MDIP, .750 x .250 x.130in, 14 Lead, .100in Pitch", Packaging="Cut Tape (CT)", Part Status=Active, PinCount=14, Pricing 1="1=0.48, 10=0.358, 100=0.2231, 500=0.15264, 1000=0.11742 (USD)", RoHS=N, Slew Rate="0.4 V/µs", Stock 1=8705, Supplier 1=Digi-Key
W1: library part BGM111, Current - Receiving=7.5mA, Current - Transmitting=8.2mA, Frequency=2.4GHz, Manufacturer="Silicon Labs", Manufacturer Part Number=BGM111A256V1, Operating Temperature="-40°C ~ 85°C", Package / Case="31-SMD Module", Power - Output=9dBm, Supplier Part Number 1=BGM111A256V1-ND, Voltage - Supply="1.8 V ~ 3.8 V", Antenna Type="Integrated, Chip", Category="RF/IF and RFID", ComponentLink1Description=http://www.silabs.com/Support%20Documents/RegisteredDocs/BGM111_DataSheet.pdf, ComponentLink1URL=http://www.silabs.com/Support%20Documents/RegisteredDocs/BGM111_DataSheet.pdf, Data Rate=1Mbps, Memory Size="256kB Flash, 32kB RAM", Modulation=-, Mounting Type="Surface Mount", Packaging=Tube, Part Status=Active, Pricing 1="1=11.01, 25=9.1732, 100=8.387, 1000=6.97173 (USD)", PROD_ID=TRANS-08049, Protocol="Bluetooth v4.1", RF Family/Standard=Bluetooth, RoHS="Request Inventory Verification", Sensitivity=-93dBm, Serial Interfaces="I²C, SPI, UART", Stock 1=10, Supplier 1=Digi-Key
XC1: library part Chrystal, Supplier Part Number 1=631-1023-2-ND, PROD_ID=TRANS-08049, Supplier 1=Digi-Key
µSD1: "microSD memory card connector, push/push", Manufacturer="Wellco T&C CO., Ltd", Manufacturer Part Number=5033981892, MPN=MSPR09-A0-5200, Supplier Part Number 1=WM11190CT-ND, AN=A08-1884, Card Type=microSD™, Category="Connectors, Interconnects", ComponentLink1Description=http://www.molex.com/pdm_docs/sd/5033981892_sd.pdf, ComponentLink1URL=http://www.molex.com/pdm_docs/sd/5033981892_sd.pdf, ComponentStatus="'Active (verified)'", Connector Type="Connector and Ejector", Contact Finish=Gold, Contact Finish Thickness="19.7µin (0.50µm)", Ejector Side=-, Features=Switch, FootprintStatus="'Active (Verified)'", Height=1.75, Height Above Board="0.050\" (1.28mm)", Insertion, Removal Method="Push In, Push Out", Mounting Feature="Normal, Standard - Top", Mounting Type="Surface Mount, Right Angle", Number of Positions="9 (8 + 1)", Packaging="Cut Tape (CT)", PartGroup="Mechanical devices,Connectors,Memory cards", Part Status=Active, Pricing 1="1=2.97, 10=2.853, 25=2.6152, 50=2.4962, 100=2.3773, 250=2.08016, 500=2.02072, 1000=1.72356 (USD)", RoHS="RoHS Compliant", Status=verified, Stock 1=3036, Supplier 1=Digi-Key, Verified by=gsk, Verified date=13-09-13

## Free pads (board coordinates)
  round 161.42 hole 82.68: 5(2300,200) 6(700,200) 7(700,1100) 8(2300,1100)

## Via types
v1: diameter 22, hole 12, Top Layer to Bottom Layer, tented both sides, 120 vias

## Nets (pads, with @x,y where several pads share a name; then routed paths per layer and width w, separated by ;. In a path a pad name is that pad's centre, name@x,y a point inside that pad or via, vN(x,y) a via of type N, cw(c..) or ccw(c..) an arc to the next point about the centre after c; other vN are vias at no path point)
ALDL: J2.9 Q5.3 R3.1 | length 916.8
  Top Layer w6: J2.9@194,1201.95 694.95,1201.95 732.28,1239.28 ; R3.1@732.28,1312 732.28,1239.28 ; Q5.3@949.37,1100 845,1100 732.28,1212.72 732.28,1239.28
CAN_RX: SW1.1 U5.20 U7.4 U8.4 | length 2920.9
  Top Layer w6: v1(1434,939) 1499,939 1523,915 1523,883 1572.2,833.8 U5.20@1572.2,787.24 1572.2,573.2 v1(1572,573)
  Bottom Layer w6: U8.4@503,776.39 635,776.39 ; U7.4@510,323.39 510,418 536,444 1052,444 1083,475 1083,548 1108,573 v1(1572,573) ; SW1.1@610.6,854.41 632.59,854.41 649,838 649,790.39 635,776.39 ; v1(1434,939) 1434,794 1416.39,776.39 635,776.39